# Altium PCB 通用工装板.PcbDoc (part 3 of 10)
Units mil, origin at the board's own origin, x right, y up, seen from the top; angles counter-clockwise.
Board outline 5905.51 x 3937.01 mil, 4 copper layers (L1, L2, L3, L4), stack 30.634 mil thick; 601 components, 576 nets, 2543 pads, 2986 vias.
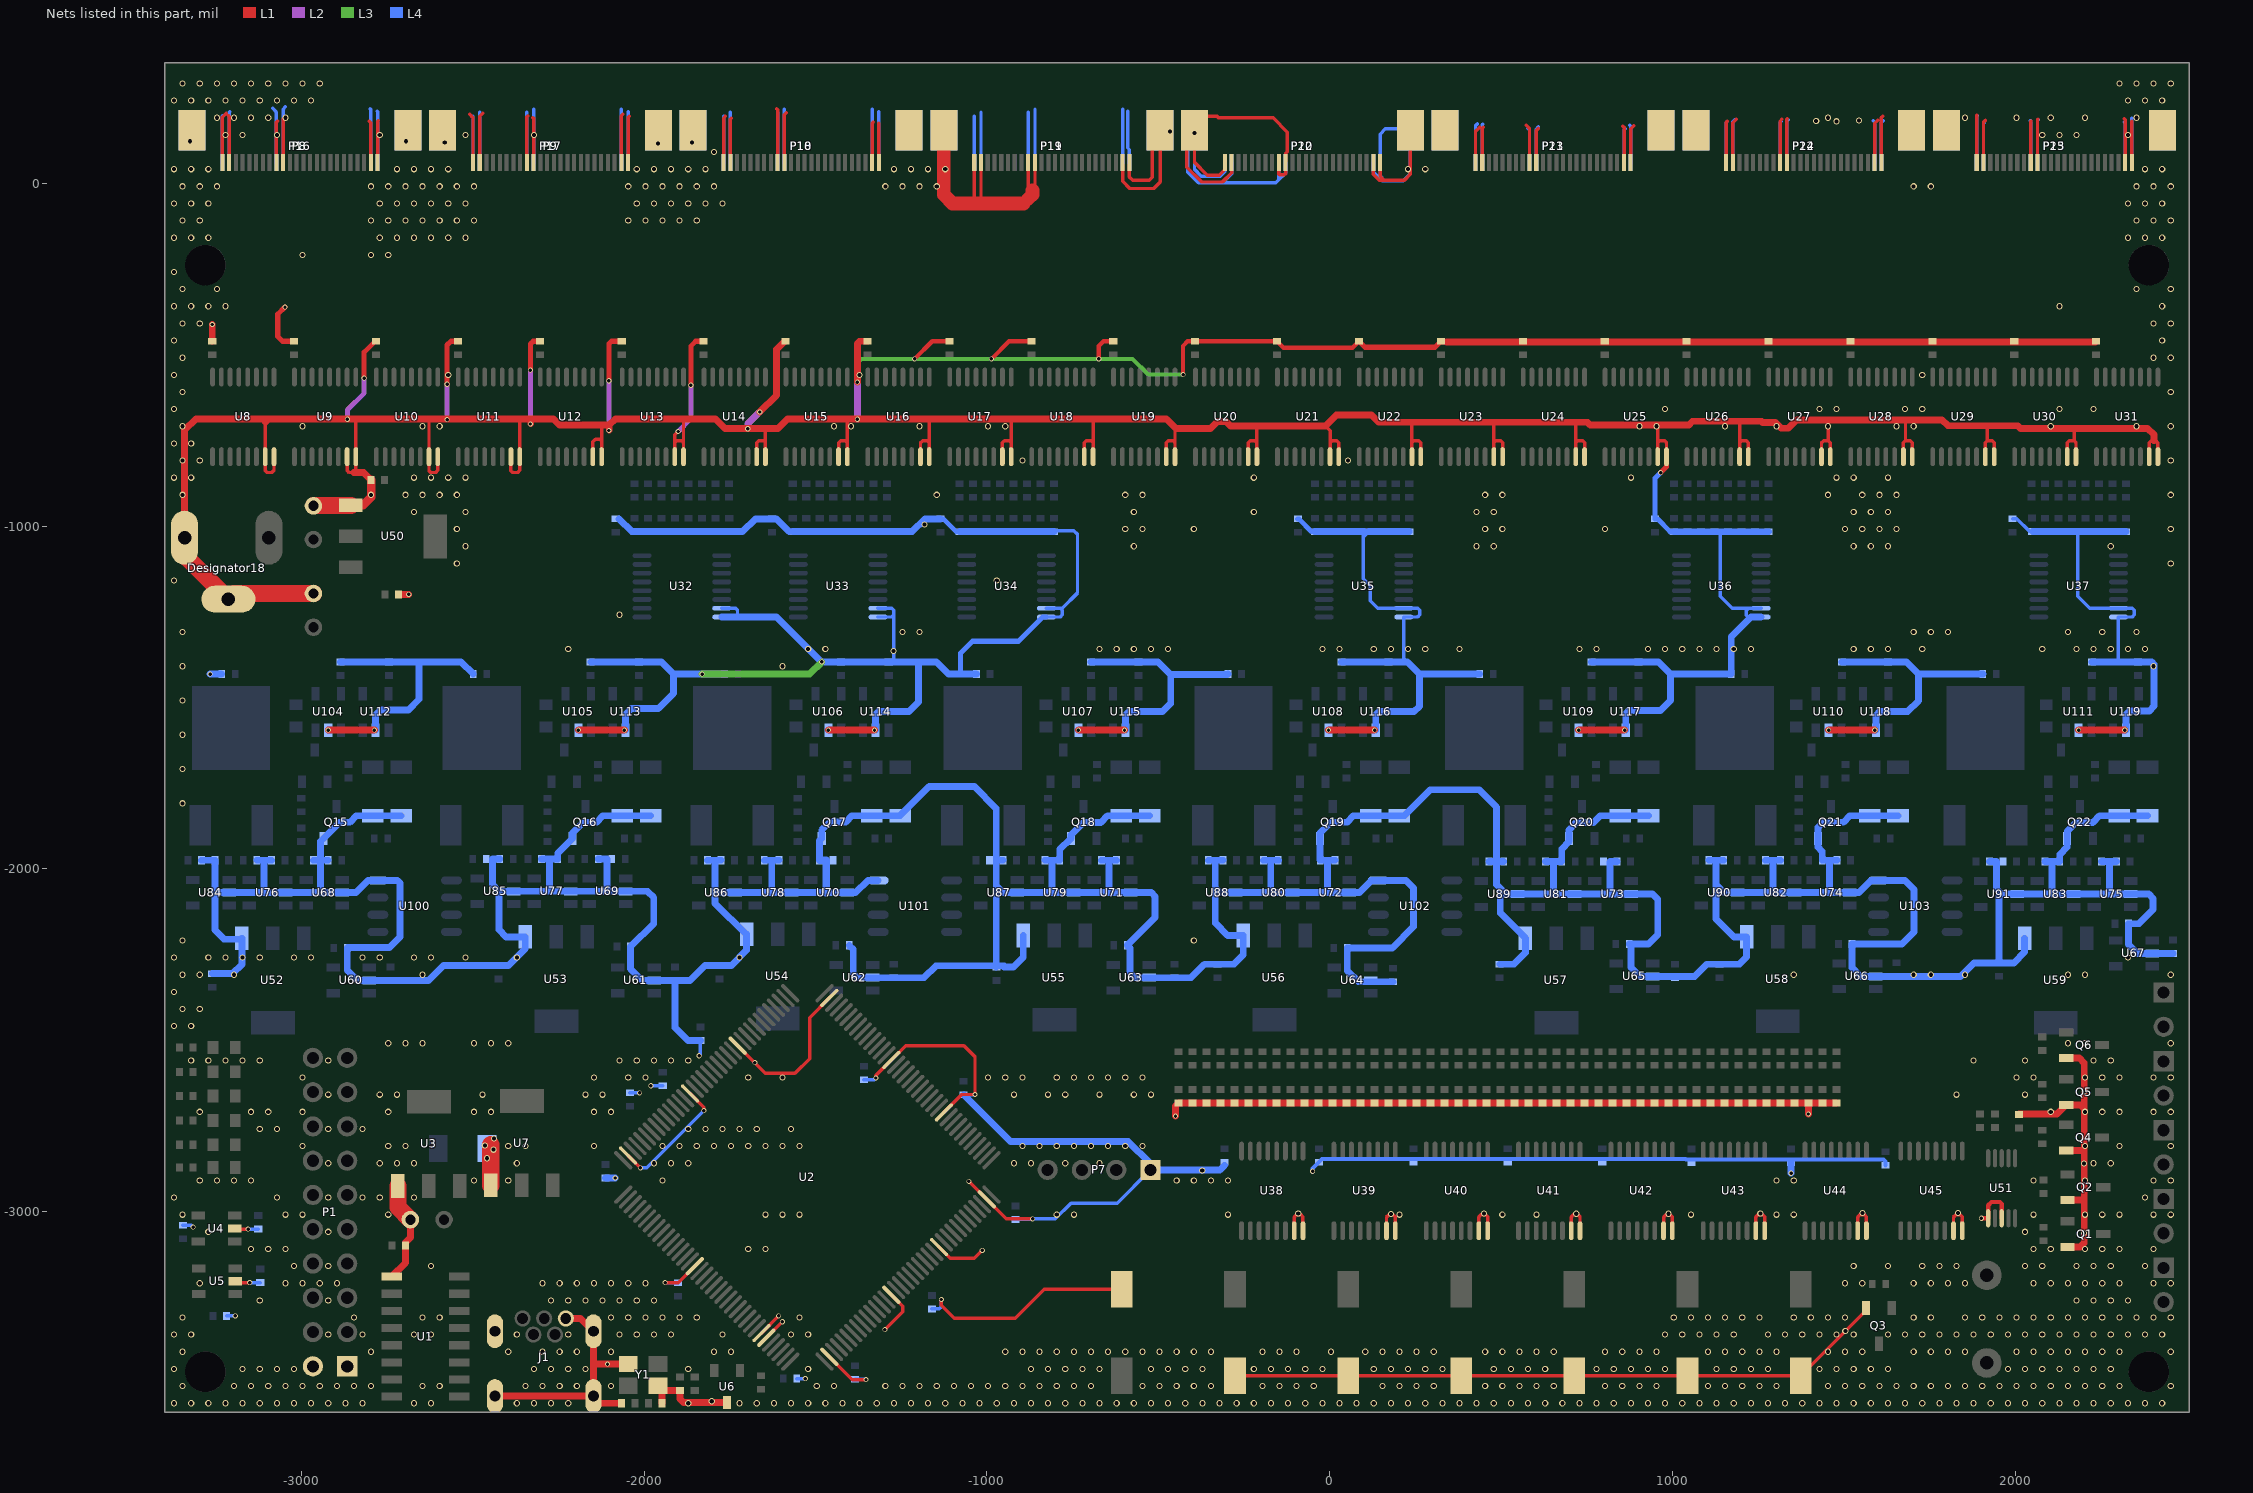
[diagram p5: the nets of this part, all layers, seen from the top]

## Via types
v1: diameter 15, hole 10, L1 to L4, tented both sides, 1853 vias
v2: diameter 18, hole 12, L1 to L4, tented both sides, 1133 vias

## Nets (pads, with @x,y where several pads share a name; then routed paths per layer and width w, separated by ;. In a path a pad name is that pad's centre, name@x,y a point inside that pad or via, vN(x,y) a via of type N, cw(c..) or ccw(c..) an arc to the next point about the centre after c; other vN are vias at no path point) (continued)
GND: C1.1 C2.1 C3.1 C4.2 C5.2 C6.1 C7.1 C8.1 C9.1 C10.2 C11.1 C12.1 C13.1 C14.1 C15.1 C16.1 C17.1 C18.1 C19.1 C20.1 C21.1 C22.1 C23.1 C24.1 C25.1 C26.1 C27.1 C28.1 C29.1 C30.1 C31.1 C32.1 C33.1 C34.1 C35.1 C36.1 C37.1 C38.1 C39.1 C40.1 C41.1 C42.1 C43.1 C44.1 C45.1 C46.1 C47.1 C48.1 C49.1 C50.1 C51.1 C52.1 C53.1 C54.1 C55.1 C56.1 C57.1 C58.1 C59.1 C60.1 C61.1 C62.1 C63.1 C64.1 C65.1 C66.1 C67.1 C68.1 C69.1 C70.1 C71.1 C72.1 C73.1 C74.1 C75.1 C76.1 C77.1 C78.1 C79.1 C80.1 C81.1 C82.1 C83.1 C84.1 C85.1 C86.1 C87.1 C88.1 C89.1 C90.1 C91.1 C92.1 C93.1 C94.1 C95.1 C96.1 C97.1 C98.1 C99.1 C100.1 C101.1 C102.1 C103.1 C104.1 C105.1 C106.1 C107.1 C108.1 C109.1 C110.1 C111.1 C112.1 C113.1 C114.1 C115.1 C116.1 C117.1 C118.1 C119.1 C130.1 C131.1 C132.1 C133.1 C134.1 C135.1 C136.1 C137.1 C138.1 C139.1 C140.2 C141.2 C142.2 C143.2 C144.2 C145.2 C146.2 C147.2 C148.2 C149.2 C150.1 C151.1 C152.1 C153.1 C154.1 C155.1 C156.1 C157.1 C158.1 C159.1 C160.2 C161.2 C162.2 C163.2 C164.2 C165.2 C166.2 C167.2 C168.2 C169.2 D1.1 D2.1 D3.1 D4.1 D5.1 D6.1 D7.1 D8.1 D9.1 D10.1 D11.1 D12.1 D13.1 D14.1 D15.1 D16.1 Designator18.2 Designator18.3 J1.5 J1.A K1.1 K2.1 K3.1 K4.1 K5.1 K6.1 K7.1 P1.1 P1.2 P7.1 P8.1 P8.2 P8.9 P8.10 P8.23 P8.24 P8.A P8.B P9.1 P9.2 P9.9 P9.10 P9.23 P9.24 P9.A P9.B P10.1 P10.2 P10.9 P10.10 P10.23 P10.24 P10.A P10.B P11.1 P11.2 P11.9 P11.10 P11.23 P11.24 P11.A P11.B P12.1 P12.2 P12.9 P12.10 P12.23 P12.24 P12.A P12.B P13.1 P13.2 P13.9 P13.10 P13.23 P13.24 P13.A P13.B P14.1 P14.2 P14.9 P14.10 P14.23 P14.24 P14.A P14.B P15.1 P15.2 P15.9 P15.10 P15.23 P15.24 P15.A P15.B P16.1 P16.2 P16.15 P16.16 P16.23 P16.24 P16.A P16.B P17.1 P17.2 P17.15 P17.16 P17.23 P17.24 P17.A P17.B P18.1 P18.2 P18.15 P18.16 P18.23 P18.24 P18.A P18.B P19.1 P19.2 P19.15 P19.16 P19.23 P19.24 P19.A P19.B P20.1 P20.2 P20.15 P20.16 P20.23 P20.24 P20.A P20.B P21.1 P21.2 P21.15 P21.16 P21.23 P21.24 P21.A P21.B P22.1 P22.2 P22.15 P22.16 P22.23 P22.24 P22.A P22.B P23.1 P23.2 P23.15 P23.16 P23.23 P23.24 P23.A P23.B Q1.2 Q2.2 Q3.2 Q4.2 Q5.2 Q6.2 Q15.2 Q16.2 Q17.2 Q18.2 Q19.2 Q20.2 Q21.2 Q22.2 R9.1 R17.2 R19.2 R21.2 R23.2 R25.2 R27.2 R29.2 R31.2 R33.2 R35.2 R37.2 R39.2 R41.2 R43.2 R45.2 R47.2 R49.2 R51.2 R53.2 R55.2 R57.2 R59.2 R61.2 R63.2 R65.2 R67.2 R69.2 R71.2 R73.2 R75.2 R77.2 R79.2 R81.2 R83.2 R85.2 R87.2 R89.2 R91.2 R93.2 R95.2 R97.2 R99.2 R101.2 R103.2 R105.2 R107.2 R109.2 R111.2 R113.2 R115.2 R117.2 R119.2 R121.2 R123.2 R125.2 R127.2 R129.2 R131.2 R133.2 R135.2 R137.2 R139.2 R141.2 R143.2 R145.2 R147.2 R149.2 R151.2 R153.2 R155.2 R157.2 R159.2 R161.2 R163.2 R165.2 R167.2 R169.2 R171.2 R175.2 R177.2 R179.2 R181.2 R183.2 R185.2 R187.2 R189.2 R191.2 R193.2 R195.2 R197.2 R199.2 R201.2 R203.2 R205.2 R207.2 R209.2 U1.1 U2.16 U2.30 U2.31 U2.38 U2.51 U2.61 U2.71 U2.83 U2.94 U2.107 U2.120 U2.130 U2.143 U3.1 U4.2 U5.2 U6.3 U7.1 U8.7 U8.8 U9.7 U9.8 U10.7 U10.8 U11.7 U11.8 U12.7 U12.8 U13.7 U13.8 U14.7 U14.8 U15.7 U15.8 U16.7 U16.8 U17.7 U17.8 U18.7 U18.8 U19.7 U19.8 U20.7 U20.8 U21.7 U21.8 U22.7 U22.8 U23.7 U23.8 U24.7 U24.8 U25.7 U25.8 U26.7 U26.8 U27.7 U27.8 U28.7 U28.8 U29.7 U29.8 U30.7 U30.8 U31.7 U31.8 U32.7 U32.8 U33.7 U33.8 U34.7 U34.8 U35.7 U35.8 U36.7 U36.8 U37.7 U37.8 U38.7 U38.8 U39.7 U39.8 U40.7 U40.8 U41.7 U41.8 U42.7 U42.8 U43.7 U43.8 U44.7 U44.8 U45.7 U45.8 U50.1 U51.1 U51.3 U52.1 U53.1 U54.1 U55.1 U56.1 U57.1 U58.1 U59.1 U60.2 U61.2 U62.2 U63.2 U64.2 U65.2 U66.2 U67.2 U68.2 U69.2 U70.2 U71.2 U72.2 U73.2 U74.2 U75.2 U76.2 U77.2 U78.2 U79.2 U80.2 U81.2 U82.2 U83.2 U84.2 U85.2 U86.2 U87.2 U88.2 U89.2 U90.2 U91.2 U100.4 U101.4 U102.4 U103.4 U104.2 U105.2 U106.2 U107.2 U108.2 U109.2 U110.2 U111.2 U112.2 U113.2 U114.2 U115.2 U116.2 U117.2 U118.2 U119.2 Y1.2 Y1.4 | length 77137.2
  L1 w10: P8.1@-3230.68,60.67 -3230.68,193.32 -3219,205 ; -3214,198 -3210.99,194.99 P8.2@-3210.99,60.67 ; U4.2@-3193.17,-3050.69 v1(-3155.69,-3050.69) ; U5.2@-3192.85,-3203 -3189.17,-3206.69 v1(-3150.69,-3206.69) ; -3105.68,-697 U8.7@-3105.68,-797.27 -3105.68,-837.98 -3100.2,-843.45 -3086.2,-843.45 -3080.09,-837.33 U8.8@-3080.09,-797.27 ; P8.9@-3073.2,60.67 -3073.2,177.8 -3069,182 ; P8.10@-3053.51,60.67 -3053.51,188.49 v2@-3048,194 ; U9.7@-2866.72,-797.27 -2866.72,-837.98 -2861.25,-843.45 -2847.25,-843.45 -2841.13,-837.33 U9.8@-2841.13,-797.27 -2841.13,-689.87 ; -2802,181 -2797.61,176.61 P8.23@-2797.61,60.67 ; P8.24@-2777.92,60.67 -2777.92,181.08 -2776,183 ; -2627.76,-690.24 U10.7@-2627.76,-797.27 -2627.76,-837.98 -2622.29,-843.45 -2608.29,-843.45 -2602.17,-837.33 U10.8@-2602.17,-797.27 ; -2509,201 -2499.52,191.52 P9.1@-2499.52,60.67 ; P9.2@-2479.83,60.67 -2479.83,196.17 -2471,205 ; U11.7@-2388.8,-797.27 -2388.8,-837.98 -2383.33,-843.45 -2369.33,-843.45 -2363.21,-837.33 U11.8@-2363.21,-797.27 -2363.21,-688.79 ; P9.9@-2342.04,60.67 -2342.04,193.96 -2339,197 ; -2325,192 -2322.35,189.35 P9.10@-2322.35,60.67 ; U12.7@-2149.84,-797.27 -2149.84,-753.84 -2142,-746 -2131,-746 -2124.25,-752.75 ; U12.8@-2124.25,-797.27 -2124.25,-752.75 ; -2124.25,-705 -2124.25,-752.75 ; P9.23@-2066.45,60.67 -2066.45,196.55 -2062,201 ; U2.143@-2047.35,-2835.93 -2011.29,-2872 v1(-2011,-2872) ; P9.24@-2046.76,60.67 -2046.76,193.24 -2044,196 ; v1(-1939,-3207) -1900.62,-3207 U2.16@-1852.48,-3158.86 ; U13.7@-1910.88,-797.27 -1910.88,-757.2 ; v1(-1901,-724) -1910.88,-733.88 -1910.88,-757.2 ; U13.8@-1885.29,-797.27 -1885.29,-756.56 ; -1884,-687 -1885.29,-688.29 -1885.29,-756.56 ; U2.130@-1866.4,-2654.98 -1826,-2695.38 v1(-1826,-2705) ; P10.1@-1768.36,60.67 -1768.36,190.64 -1763,196 ; P10.2@-1748.67,60.67 -1748.67,187.33 -1746,190 ; U2.120@-1727.21,-2515.78 -1646.99,-2596 -1560.04,-2596 -1517.5,-2553.46 -1517.5,-2434.14 U2.107@-1459.95,-2376.59 ; U14.7@-1671.92,-797.27 -1671.92,-757.2 -1665.8,-751.09 -1651.8,-751.09 -1646.33,-756.56 ; U2.30@-1657.61,-3353.73 v1(-1607.88,-3304) ; U14.8@-1646.33,-797.27 -1646.33,-756.56 ; -1646.33,-715 -1646.33,-756.56 ; U2.31@-1643.69,-3367.65 v1(-1597.04,-3321) ; -1614,218 -1610.88,214.88 P10.9@-1610.88,60.67 ; P10.10@-1591.19,60.67 -1591.19,199.81 -1585,206 ; U2.38@-1459.95,-3423.33 -1393.29,-3490 v1(-1353,-3490) ; U15.7@-1432.96,-797.27 -1432.96,-757.2 -1426.84,-751.09 -1412.84,-751.09 -1407.37,-756.56 ; U15.8@-1407.37,-797.27 -1407.37,-756.56 ; -1407.37,-688.63 -1407.37,-756.56 ; P10.23@-1335.29,60.67 -1335.29,175.71 -1332,179 ; v1(-1324,-2610) -1324,-2602.54 U2.94@-1279,-2557.54 -1237.46,-2516 -1067,-2516 -1035,-2548 v1(-1035,-2658) -1073.23,-2658 U2.83@-1125.89,-2710.66 ; P10.24@-1315.6,60.67 -1315.6,175.4 -1315,176 ; v1(-1298,-3344) -1246,-3292 -1246,-3275.38 U2.51@-1279,-3242.38 ; U16.7@-1194,-797.27 -1194,-757.2 -1187.89,-751.09 -1173.89,-751.09 -1168.41,-756.56 ; U16.8@-1168.41,-797.27 -1168.41,-756.56 ; -1168.41,-687.59 -1168.41,-756.56 ; U2.61@-1139.81,-3103.18 -1106.99,-3136 -1037,-3136 v1(-1014,-3113) ; v1(-1133,-3256) -1133,-3273 -1095,-3311 -917,-3311 -832.73,-3226.73 K7.1@-606.66,-3226.73 ; v1(-1053,-2911.6) U2.71@-1000.61,-2963.99 -943.6,-3021 v1(-867,-3021) ; -1045,-58.49 -1037.2,-50.69 P11.1@-1037.2,60.67 ; -1018,-58.49 -1017.52,-58.01 P11.2@-1017.52,60.67 ; U17.7@-955.04,-797.27 -955.04,-757.2 -948.93,-751.09 -934.93,-751.09 -929.45,-756.56 ; U17.8@-929.45,-797.27 -929.45,-756.56 ; -929.45,-689.45 -929.45,-756.56 ; -893.49,-58.49 -879.72,-44.72 P11.9@-879.72,60.67 ; -860.04,-19.75 P11.10@-860.04,60.67 ; U18.7@-716.09,-797.27 -716.09,-757.2 -709.97,-751.09 -695.97,-751.09 -690.49,-756.56 ; U18.8@-690.49,-797.27 -690.49,-756.56 ; -690.49,-690.49 -690.49,-756.56 ; P11.23@-604.13,60.67 -604.13,6.13 -583,-15 -514,-15 -495,4 -495,154.29 P11.A@-495.86,155.16 -518,133.02 -518,18 -527,9 -575,9 -584.45,18.45 P11.24@-584.45,60.67 ; U19.7@-477.13,-797.27 -477.13,-757.2 -471.01,-751.09 -457.01,-751.09 -451.54,-756.56 ; U19.8@-451.54,-797.27 -451.54,-756.56 ; -449,-715 -451.54,-717.54 -451.54,-756.56 ; P12.1@-306.04,60.67 -306.04,39.96 -322,24 -357.63,24 -394.63,61 P12.B@-394.63,155.16 ; P12.2@-286.36,60.67 -286.36,30.64 -313,4 -374,4 -417,47 -417,132.78 P12.B@-394.63,155.16 ; K1.1@-276.61,-3478.7 K2.1@53.44,-3478.7 K3.1@383.5,-3478.7 K4.1@713.55,-3478.7 K5.1@1043.6,-3478.7 K6.1@1373.65,-3478.7 1564.6,-3287.76 Q3.2@1564.6,-3280.87 ; U20.7@-238.17,-797.27 -238.17,-757.2 -232.05,-751.09 -218.05,-751.09 -212.58,-756.56 ; U20.8@-212.58,-797.27 -212.58,-756.56 ; -212.58,-709.42 -212.58,-756.56 ; P12.9@-148.56,60.67 -148.56,26.56 -146.5,24.5 -132.5,24.5 -128.88,28.12 P12.10@-128.88,60.67 -128.88,87.37 -123.5,92.75 -123.5,149.5 -165.5,191.5 -324.75,191.5 -328.75,195.5 -394.63,195.5 P12.B@-394.63,155.16 ; U38.7@-103.81,-3055.47 -103.81,-3015.41 -97.69,-3009.29 -83.69,-3009.29 -78.22,-3014.76 U38.8@-78.22,-3055.47 ; -13,-708 0.79,-721.79 0.79,-757.2 ; U21.7@0.79,-797.27 0.79,-757.2 ; U21.8@26.38,-797.27 26.38,-756.56 20.91,-751.09 6.91,-751.09 0.79,-757.2 ; P12.23@127.03,60.67 127.03,25.97 144,9 159,9 ; P12.24@146.71,60.67 146.71,21.29 159,9 ; U39.7@165.56,-3055.47 165.56,-3015.41 171.68,-3009.29 185.68,-3009.29 191.15,-3014.76 U39.8@191.15,-3055.47 ; P12.A@235.3,155.16 235.3,26.3 218,9 159,9 ; U22.7@239.75,-797.27 239.75,-757.2 ; 239.75,-700.75 239.75,-757.2 ; U22.8@265.34,-797.27 265.34,-756.56 259.87,-751.09 245.87,-751.09 239.75,-757.2 ; P13.1@425.12,60.67 425.12,152.12 437,164 ; U40.7@434.94,-3055.47 434.94,-3015.41 441.05,-3009.29 455.05,-3009.29 460.53,-3014.76 U40.8@460.53,-3055.47 ; P13.2@444.8,60.67 444.8,160.8 448,164 ; U23.7@478.71,-797.27 478.71,-757.2 ; 478.71,-697.29 478.71,-757.2 ; U23.8@504.3,-797.27 504.3,-756.56 498.83,-751.09 484.83,-751.09 478.71,-757.2 ; 573,169 582.6,159.4 P13.9@582.6,60.67 ; P13.10@602.28,60.67 602.28,154.28 609,161 ; U41.7@704.31,-3055.47 704.31,-3015.41 710.43,-3009.29 724.43,-3009.29 729.9,-3014.76 U41.8@729.9,-3055.47 ; U24.7@717.67,-797.27 717.67,-757.2 ; 717.67,-703.33 717.67,-757.2 ; U24.8@743.26,-797.27 743.26,-756.56 737.79,-751.09 723.79,-751.09 717.67,-757.2 ; 855,167 858.5,163.5 858.5,60.98 P13.23@858.19,60.67 ; P13.24@877.87,60.67 877.87,158.87 887,168 ; U25.7@956.63,-797.27 956.63,-757.2 ; v2@956.63,-706.87 956.63,-757.2 ; U42.7@973.68,-3055.47 973.68,-3015.41 979.8,-3009.29 993.8,-3009.29 999.27,-3014.76 U42.8@999.27,-3055.47 ; U25.8@982.22,-797.27 982.22,-756.56 976.75,-751.09 962.75,-751.09 956.63,-757.2 ; P14.1@1156.27,60.67 1156.27,178.27 1159,181 ; P14.2@1175.96,60.67 1175.96,176.96 1186,187 ; U26.7@1195.59,-797.27 1195.59,-757.2 ; 1195.59,-694.59 1195.59,-757.2 ; U26.8@1221.18,-797.27 1221.18,-756.56 1215.71,-751.09 1201.71,-751.09 1195.59,-757.2 ; U43.7@1243.06,-3055.47 1243.06,-3015.41 1249.18,-3009.29 1263.18,-3009.29 1268.65,-3014.76 U43.8@1268.65,-3055.47 ; P14.9@1313.75,60.67 1313.75,181.75 1319,187 ; P14.10@1333.44,60.67 1333.44,187.44 1335,189 ; U27.7@1434.55,-797.27 1434.55,-757.2 1440.67,-751.09 1454.67,-751.09 ; 1454.67,-694.33 1454.67,-751.09 ; U27.8@1460.14,-797.27 1460.14,-756.56 1454.67,-751.09 ; U44.7@1539.99,-3055.47 1539.99,-3015.41 1546.11,-3009.29 1560.11,-3009.29 1565.58,-3014.76 U44.8@1565.58,-3055.47 ; P14.23@1589.34,60.67 1589.34,175.34 1598,184 ; P14.24@1609.03,60.67 1609.03,192.03 1613,196 ; U28.7@1673.51,-797.27 1673.51,-757.2 1679.63,-751.09 ; 1679.63,-692.37 1679.63,-751.09 ; U28.8@1699.1,-797.27 1699.1,-756.56 1693.63,-751.09 1679.63,-751.09 ; U45.7@1819.52,-3055.47 1819.52,-3015.41 1825.64,-3009.29 1839.64,-3009.29 1845.11,-3014.76 U45.8@1845.11,-3055.47 ; 1887,199 1887.43,198.57 P15.1@1887.43,60.67 ; P15.2@1907.12,60.67 1907.12,178.12 1913,184 ; U29.7@1912.47,-797.27 1912.47,-757.2 1918.58,-751.09 ; 1918.58,-708.58 1918.58,-751.09 ; U29.8@1938.06,-797.27 1938.06,-756.56 1932.58,-751.09 1918.58,-751.09 ; P15.9@2044.91,60.67 2044.91,180.91 2046,182 ; P15.10@2064.6,60.67 2064.6,185.6 2066,187 ; U30.7@2151.43,-797.27 2151.43,-757.2 2157.54,-751.09 2171.54,-751.09 ; 2171.54,-715.54 2171.54,-751.09 ; U30.8@2177.02,-797.27 2177.02,-756.56 2171.54,-751.09 ; 2318,188 2320.5,185.5 P15.23@2320.5,60.67 ; 2340,181 2340.19,180.81 P15.24@2340.19,60.67 ; U31.7@2390.38,-797.27 2390.38,-757.2 2396.5,-751.09 2404,-751.09 2410.5,-751.09 2415.98,-756.56 U31.8@2415.98,-797.27 ; -1910.88,-757.2 -1904.76,-751.09 -1890.76,-751.09 -1885.29,-756.56
  L1 w12: v1(-1211,-512) -1159.65,-460.65 C139.1@-1109.57,-460.65 ; v1(-987,-512) -935.65,-460.65 C140.2@-870.62,-460.65 ; v1(-674,-512) -674,-475 -659.65,-460.65 C141.2@-631.66,-460.65 ; v1(-428,-558) -428,-474 -414.65,-460.65 C142.2@-392.7,-460.65 C143.2@-153.74,-460.65 -134.89,-479.5 66.37,-479.5 C144.2@85.22,-460.65 ; v1(1900.94,-3019.06) U51.1@1920.9,-3019.06 1920.9,-2981.1 1930,-2972 1955,-2972 1960.27,-2977.27 U51.3@1960.27,-3019.06
  L1 w15: v1(-3048,-361) -3069,-382 -3069,-447 -3055.35,-460.65 C131.1@-3021.25,-460.65 ; v1(-2817,-568) -2817,-492.76 -2784.89,-460.65 C132.1@-2782.29,-460.65 ; v1(-2575,-586) -2575,-471.65 -2564,-460.65 C133.1@-2543.33,-460.65 ; v1(-2332,-545) -2332,-469 -2323.65,-460.65 C134.1@-2304.37,-460.65 ; v1(-2103,-576) -2103,-468 -2095.65,-460.65 C135.1@-2065.41,-460.65 ; v1(-1864,-589) -1864,-475 -1849.65,-460.65 C136.1@-1826.45,-460.65 ; C144.2@85.22,-460.65 102.56,-478 306.88,-478 322.37,-462.5 340,-462.5 ; v1(965,-844) 982.22,-826.78 U25.8@982.22,-797.27
  L1 w20: Designator18.3@-3340.91,-1033.82 -3340.91,-719.91 -3308,-687 -3095.68,-687 ; C130.1@-3260.2,-460.65 v1(-3260.2,-411.8) ; -3105.68,-697 -3095.68,-687 ; v1(-2921.62,-1594.84) v1(-2787.16,-1594.84) ; -2847.25,-843.45 -2818.24,-843.45 C169.2@-2796.69,-865 ; U1.1@-2736.58,-3189.33 -2696.32,-3149.06 C3.1@-2696.32,-3098 -2696.32,-3089.32 -2682.21,-3075.21 C10.2@-2682.21,-3023.28 ; C104.1@-2716.9,-1199.17 -2687.17,-1199.17 v1(-2687,-1199) ; J1.A@-2435.4,-3537.76 J1.A@-2148,-3537.76 J1.A@-2148,-3348.78 -2185.4,-3311.38 J1.5@-2228.71,-3311.38 ; v1@-2331,-701 -2331,-687 ; v1(-2192.15,-1594.84) v1(-2057.69,-1594.84) ; -2145.35,-3444.65 v1(-2107,-3444.65) Y1.4@-2046.59,-3444.65 ; J1.A@-2126.94,-3558.82 C9.1@-2066.28,-3558.82 ; v1@-2102,-720 -2102,-705 ; C21.1@-1948.17,-3558.82 Y1.2@-1948.17,-3519.45 ; Y1.2@-1945.85,-3521.76 C8.1@-1895.98,-3521.76 -1895.98,-3546.02 -1885.79,-3556.21 U6.3@-1758.19,-3556.21 ; v1(-1663,-667) -1614.3,-618.3 -1614.3,-483.97 -1590.99,-460.65 C137.1@-1587.49,-460.65 ; v1(-1462.68,-1594.84) v1(-1328.21,-1594.84) ; v1(-1378,-580) -1378,-467 -1371.65,-460.65 C138.1@-1348.53,-460.65 ; v1(-733.21,-1594.84) v1(-598.74,-1594.84) ; v1(-450,-2721) -450,-2691.33 R113.2@-441.26,-2682.59 R125.2@-400.43,-2682.59 R137.2@-359.6,-2682.59 R149.2@-318.77,-2682.59 R161.2@-277.94,-2682.59 R175.2@-237.11,-2682.59 R187.2@-196.28,-2682.59 R199.2@-155.45,-2682.59 R115.2@-114.62,-2682.59 R127.2@-73.79,-2682.59 R139.2@-32.96,-2682.59 R151.2@7.87,-2682.59 R163.2@48.7,-2682.59 R177.2@89.53,-2682.59 R189.2@130.36,-2682.59 R201.2@171.19,-2682.59 R117.2@212.02,-2682.59 R129.2@252.85,-2682.59 R141.2@293.67,-2682.59 R153.2@334.5,-2682.59 R165.2@375.33,-2682.59 R179.2@416.16,-2682.59 R191.2@456.99,-2682.59 R203.2@497.82,-2682.59 R119.2@538.65,-2682.59 R131.2@579.48,-2682.59 R143.2@620.31,-2682.59 R155.2@661.14,-2682.59 R167.2@701.97,-2682.59 R181.2@742.8,-2682.59 R193.2@783.63,-2682.59 R205.2@824.46,-2682.59 R121.2@865.29,-2682.59 R133.2@906.12,-2682.59 R145.2@946.95,-2682.59 R157.2@987.78,-2682.59 R169.2@1028.61,-2682.59 R183.2@1069.44,-2682.59 R195.2@1110.27,-2682.59 R207.2@1151.1,-2682.59 R123.2@1191.93,-2682.59 R135.2@1232.76,-2682.59 R147.2@1273.59,-2682.59 R159.2@1314.42,-2682.59 R171.2@1355.25,-2682.59 R185.2@1396.08,-2682.59 ; v1(-3.74,-1594.84) v1(130.73,-1594.84) ; 340,-462.5 2234.01,-462.5 C153.1@2235.86,-460.65 ; v1(725.73,-1594.84) v1(860.2,-1594.84) ; v1(1396.08,-2714.92) R185.2@1396.08,-2682.59 ; v1(1455.21,-1594.84) v1(1589.67,-1594.84) ; R209.2@1477.74,-2682.59 R197.2@1436.91,-2682.59 R185.2@1396.08,-2682.59 ; C168.2@2011,-2714.92 2121.68,-2714.92 Q5.2@2148.26,-2688.35 2190.35,-2688.35 2201,-2699 ; Q4.2@2148.26,-2821.22 2198.78,-2821.22 ; Q6.2@2148.26,-2551.54 2186.54,-2551.54 2201,-2566 2201,-2699 ; Q1.2@2152.2,-3102.72 2189.28,-3102.72 2201,-3091 2201,-2699 ; Q2.2@2152.2,-2965.91 2199.91,-2965.91 ; v1(2184.68,-1594.84) v1(2319.14,-1594.84) ; 2404,-751.09 2404,-733 2386,-715 2015,-715 2007,-707 1803,-707 1786,-690 1362,-690 1338,-714 1336.82,-714 1336.32,-714.5 1317.68,-714.5 1300.68,-697.5 1262.5,-697.5 1259,-694 1058,-694 1047.5,-704.5 759.68,-704.5 752.18,-697 143,-697 122,-676 19,-676 -13,-708 -289.18,-708 -302.18,-695 -327.82,-695 -347.82,-715 -449,-715 -477,-687 -1582,-687 -1610,-715 -1646.33,-715 -1764,-715 -1792,-687 -1884,-687 -2084,-687 -2102,-705 ; -3095.68,-687 -2331,-687 ; -2331,-687 -2265,-687 -2247,-705 -2124.25,-705 -2102,-705
  L1 w25: U50.1@-2855.68,-939.33 -2820.33,-939.33 -2796.69,-915.69 C169.2@-2796.69,-865
  L1 w40: P11.B@-1125.78,155.16 -1125.78,-33.22 -1100.51,-58.49 -1045,-58.49 -1018,-58.49 -893.49,-58.49 ; -879.72,-44.72 -867.5,-32.5 -867.5,-19.75
  L1 w50: Designator18.3@-3340.91,-1033.82 -3340.91,-1085 Designator18.2@-3212.96,-1212.95 -3196.54,-1196.53 C1.1@-2964.93,-1196.53 ; C23.1@-2963.64,-939.33 U50.1@-2855.68,-939.33 ; U3.1@-2718.55,-2925.03 -2718.55,-2986.94 C10.2@-2682.21,-3023.28 ; U7.1@-2447.55,-2923.03 -2447.55,-2804.45
  L2 w15: v1(-2866,-688) -2866,-661 -2817,-612 v1(-2817,-568) ; v1(-2575,-689) v1(-2575,-586) ; v1(-2332,-702) v1(-2332,-545) ; v1(-2103,-721) v1(-2103,-576) ; v1(-1901,-724) -1864,-687 v1(-1864,-589)
  L2 w20: v1(-1698,-716) -1698,-702 v1(-1663,-667) ; v1(-1378,-688) v1(-1378,-580)
  L3 w12: v1(-1378,-580) -1378,-524 -1366,-512 v1(-1211,-512) v1(-987,-512) v1(-674,-512) -575.5,-512 -529.5,-558 v1(-428,-558)
  L3 w20: v1(-1831,-1431.46) -1517.46,-1431.46 v1(-1482,-1396)
  L4 w10: C4.2@-3346,-3039.32 -3321.69,-3039.32 v1(-3316,-3045) ; P16.24@-3230.67,60.67 -3230.67,196.33 -3229,198 ; C5.2@-3218.32,-3304 v1(-3193,-3304) ; P16.23@-3210.99,60.67 -3210.99,207.01 -3209,209 ; v1(-3155.69,-3050.69) C7.1@-3126,-3050.69 ; v1(-3150.69,-3206.69) C6.1@-3120,-3206.69 ; -3084,219 -3073.19,208.19 P16.16@-3073.19,60.67 ; P16.15@-3053.51,60.67 -3053.51,216.49 -3047,223 ; -2800,218 -2797.6,215.6 P16.2@-2797.6,60.67 ; -2779,210 -2777.92,208.92 P16.1@-2777.92,60.67 ; P17.24@-2499.52,60.67 -2499.52,196.33 ; P17.23@-2479.83,60.67 -2479.83,207.01 ; P17.16@-2342.04,60.67 -2342.04,208.19 ; P17.15@-2322.35,60.67 -2322.35,216.49 ; P17.2@-2066.44,60.67 -2066.44,215.6 ; P17.1@-2046.76,60.67 -2046.76,208.92 ; R9.1@-2042,-2653.32 v1(-2013.32,-2653.32) ; v1(-2011,-2872) -1993,-2872 v1(-1826,-2705) ; v1(-1980.69,-2632.69) C14.1@-1946,-2632.69 ; v1@-1938.69,-3207.32 C15.1@-1902,-3207.32 ; v1(-1840,-2545) -1836,-2541 C11.1@-1836,-2500.69 ; U32.7@-1773.98,-1239.53 -1733.28,-1239.53 -1727.8,-1245 -1727.8,-1259 -1733.92,-1265.12 ; P18.24@-1768.36,60.67 -1768.36,196.33 ; P18.23@-1748.67,60.67 -1748.67,207.01 ; P18.16@-1610.88,60.67 -1610.88,208.19 ; P18.15@-1591.19,60.67 -1591.19,216.49 ; C18.1@-1555.32,-3487 v1(-1530,-3487) ; C13.1@-1385,-3488.69 v1@-1354.32,-3488.69 ; C20.1@-1359,-2614.69 -1328.69,-2614.69 v1(-1324,-2610) ; P18.2@-1335.29,60.67 -1335.29,215.6 ; U33.8@-1318.08,-1265.12 -1278.02,-1265.12 -1271.9,-1259 -1271.9,-1245 ; U33.7@-1318.08,-1239.53 -1277.37,-1239.53 -1271.9,-1245 ; P18.1@-1315.6,60.67 -1315.6,208.92 ; -1271.5,-1394.52 -1271.5,-1245.4 -1271.9,-1245 ; C19.1@-1161,-3283.69 -1138.69,-3283.69 -1133,-3278 v1(-1133,-3256) ; C12.1@-1068,-2658.69 v1@-1035.69,-2658.69 ; P19.24@-1037.2,60.67 -1037.2,196.33 ; P19.23@-1017.51,60.67 -1017.51,207.01 ; C16.1@-917,-3022.69 v1@-868.69,-3022.69 ; P19.16@-879.72,60.67 -879.72,208.19 ; v1(-867,-3021) -801,-3021 -755,-2975 -620,-2975 P7.1@-523,-2878 ; P19.15@-860.03,60.67 -860.03,216.49 ; U34.8@-826.74,-1265.12 -786.68,-1265.12 -780.56,-1259 -780.56,-1245 -786.03,-1239.53 ; U34.7@-826.74,-1239.53 -786.03,-1239.53 ; R63.2@-804.08,-1016.1 -800.98,-1013 -747,-1013 -736,-1024 -736,-1195 -780.53,-1239.53 -786.03,-1239.53 ; P19.2@-604.13,60.67 -604.13,215.6 ; -589.44,209.92 -589.44,103.44 -584.44,98.44 P19.1@-584.44,60.67 ; P20.24@-306.04,60.67 -306.04,33.96 -319,21 -375,21 -394.62,40.62 P20.A@-394.62,155.16 -414,135.78 -414,33 -383,2 -313,2 ; P20.23@-286.35,60.67 -286.35,28.65 -313,2 ; P20.16@-148.56,60.67 -148.56,10.44 ; P20.15@-128.87,60.67 -128.87,30.13 -148.56,10.44 ; 101,-1016.1 98,-1019.1 98,-1031.91 ; R73.2@113.81,-1016.1 98,-1031.91 ; P20.2@127.03,60.67 127.03,33.86 152.89,8 161,8 ; 226.02,-1396.02 215.78,-1385.78 U35.8@215.78,-1265.12 255.84,-1265.12 261.96,-1259 261.96,-1245 256.49,-1239.53 U35.7@215.78,-1239.53 140.53,-1239.53 118.26,-1217.26 118.26,-1174.26 98,-1154 98,-1031.91 ; P21.24@425.12,60.67 425.12,168.12 431,174 ; P21.23@444.8,60.67 444.8,171.8 446,173 ; 578,161 582.6,156.4 P21.16@582.6,60.67 ; P21.15@602.28,60.67 602.28,158.28 609,165 ; P21.2@858.19,60.67 859,61.48 859,156 862,159 ; 875,170 877.87,167.13 P21.1@877.87,60.67 ; 1139,-1016.39 1139,-1204 1174.53,-1239.53 1222.47,-1239.53 ; P22.24@1156.28,60.67 1156.28,177.28 1158,179 ; P22.23@1175.96,60.67 1175.96,179.96 1181,185 ; U36.8@1258.3,-1265.12 1257.18,-1264 1219,-1264 1215,-1260 1215,-1247 1222.47,-1239.53 ; U36.7@1258.3,-1239.53 1222.47,-1239.53 ; P22.16@1313.76,60.67 1313.76,177.76 1317,181 ; P22.15@1333.44,60.67 1333.44,181.44 1338,186 ; 1586,183 1589.35,179.65 P22.2@1589.35,60.67 ; P22.1@1609.03,60.67 1609.03,177.03 1615,183 ; P23.24@1887.44,60.67 1887.44,195.44 1889,197 ; P23.23@1907.12,60.67 1907.12,175.12 1909,177 ; C154.1@1991.76,-978.7 2004.7,-978.7 2041.68,-1015.69 R97.2@2048,-1015.69 ; 2044,183 2044.92,182.08 P23.16@2044.92,60.67 ; P23.15@2064.6,60.67 2064.6,183.6 2067,186 ; 2182,-1016.1 2182,-1205 2216.53,-1239.53 U37.7@2300.82,-1239.53 2341.53,-1239.53 2347,-1245 2347,-1259 2340.88,-1265.12 U37.8@2300.82,-1265.12 2300.82,-1395.2 2300,-1396.02 ; 2318,179 2320.51,176.49 P23.2@2320.51,60.67 ; 2340,190 2340.19,189.81 P23.1@2340.19,60.67 ; -313,2 -157,2 -148.56,10.44 ; 161,8 215,8 235.3,28.3 P20.B@235.3,155.16 231.46,159 162,159 146.72,143.72 P20.1@146.72,60.67 146.72,22.28 161,8
  L4 w12: v1(-50,-2882) -50,-2873.67 C166.2@-31.86,-2855.53 -22.49,-2846.16 1037.63,-2846.16 1038.63,-2847.16 1615.16,-2847.16 1621.68,-2853.68 C160.2@1621.68,-2864.53
  L4 w15: C157.1@-1135.8,-978.7 -1127.3,-978.7 -1089.9,-1016.1 R49.2@-1079.67,-1016.1 ; -1077,-1431.46 -1077,-1371 -1042,-1336 -908,-1336 -837.12,-1265.12 U34.8@-826.74,-1265.12 ; C156.1@-93.28,-978.7 -90.67,-978.7 -53.27,-1016.1 R65.2@-43.67,-1016.1 ; v1(965,-844) 949.24,-859.76 C155.1@949.24,-978.7 955.7,-978.7 993.39,-1016.39 R81.2@1004.31,-1016.39
  L4 w20: C96.1@-3291.7,-1974.76 C25.1@-3252.33,-1974.76 -3252.33,-2060.67 ; v1(-3266.54,-1431.46) C105.1@-3232.65,-1431.46 ; C40.1@-3260.2,-2305.47 -3200.47,-2305.47 -3173.59,-2278.59 U52.1@-3173.59,-2202.13 -3176.46,-2205 -3226,-2205 -3252.33,-2178.67 -3252.33,-2060.67 ; C80.1@-3130.28,-1974.76 -3109,-1974.76 ; C56.1@-3086.98,-1974.76 -3109,-1974.76 ; C64.1@-2964.93,-1974.76 -2944,-1974.76 ; -2944,-2068.25 -2944,-1974.76 ; Q15.2@-2944,-1919.39 -2944,-1974.76 ; Q15.2@-2935.4,-1910.79 -2888.61,-1864 -2859,-1864 -2839.84,-1844.84 D1.1@-2791.7,-1844.84 D9.1@-2709.02,-1844.84 ; C72.1@-2921.62,-1974.76 -2944,-1974.76 ; C106.1@-2886.19,-1396.02 C24.1@-2744.46,-1396.02 -2657,-1396.02 ; U112.2@-2783.83,-1594.84 -2783.83,-1550.83 -2769,-1536 -2688,-1536 -2657,-1505 -2657,-1396.02 ; C107.1@-2498.67,-1431.46 -2534.11,-1396.02 -2657,-1396.02 ; C89.1@-2421.62,-1970.83 -2443,-1970.83 -2443,-2046 -2423.69,-2065.32 ; C81.1@-2299.57,-1970.83 -2276,-1970.83 ; -2276,-2064.32 -2276,-1970.83 ; C38.1@-2156.16,-1396.02 C26.1@-2015.55,-1396.02 -1949.98,-1396.02 -1914.54,-1431.46 ; C65.1@-2134.22,-1970.83 -2109,-1970.83 -2109,-2065.32 ; C17.1@-2113,-2901.69 v1(-2084.32,-2901.69) ; C159.1@-2073.3,-978.7 -2035.9,-1016.1 R17.2@-2027.92,-1016.1 R19.2@-1988.51,-1016.1 R21.2@-1949.14,-1016.1 R23.2@-1909.77,-1016.1 R25.2@-1870.4,-1016.1 R27.2@-1831.03,-1016.1 R29.2@-1791.66,-1016.1 R31.2@-1752,-1016.1 -1713.1,-1016.1 -1675.7,-978.7 C158.1@-1627.13,-978.7 -1614.3,-978.7 R33.2@-1576.9,-1016.1 ; U113.2@-2054.36,-1594.84 -2054.36,-1549.36 -2037,-1532 -1959,-1532 -1914.54,-1487.54 -1914.54,-1431.46 ; D10.1@-1981.24,-1844.84 D2.1@-2063.92,-1844.84 -2119.84,-1844.84 -2139,-1864 -2178,-1864 -2208.74,-1894.74 Q16.2@-2208.74,-1910.79 -2252.33,-1954.38 C41.1@-2252.33,-1970.83 -2276,-1970.83 ; C11.1@-1836,-2500.69 -1872.32,-2500.69 -1909.81,-2463.19 C27.1@-1909.81,-2325.16 ; C98.1@-1815.32,-1974.76 C58.1@-1775.95,-1974.76 ; -1793,-1978 -1793,-2100.98 -1703.66,-2190.32 U54.1@-1701.15,-2190.32 -1701.15,-2237.15 -1745.85,-2281.85 C90.1@-1779.89,-2281.85 -1822.85,-2281.85 -1866.16,-2325.16 C27.1@-1909.81,-2325.16 ; -1790.75,-2069.25 U86.2@-1734.61,-2069.25 U78.2@-1569.26,-2069.25 -1471,-2069.25 U70.2@-1407.84,-2069.25 -1383.25,-2069.25 -1347.62,-2033.62 U101.4@-1317.62,-2033.62 ; U32.8@-1773.98,-1265.12 -1733.92,-1265.12 -1613.88,-1265.12 v1@-1482.98,-1396.02 ; C109.1@-1764.7,-1431.46 v1(-1831,-1431.46) -1914.54,-1431.46 ; C82.1@-1649.97,-1974.76 -1628,-1974.76 ; -1628,-2068.25 -1628,-1974.76 ; C29.1@-1606.66,-1974.76 -1628,-1974.76 ; R33.2@-1566.74,-1016.1 R35.2@-1527.37,-1016.1 R37.2@-1488,-1016.1 R39.2@-1448.63,-1016.1 R41.2@-1409.26,-1016.1 R43.2@-1369.89,-1016.1 R45.2@-1330.52,-1016.1 R47.2@-1291.15,-1016.1 -1218.1,-1016.1 -1180.7,-978.7 C157.1@-1135.8,-978.7 ; C66.1@-1488.55,-1974.76 Q17.2@-1488.55,-1917.26 ; Q17.2@-1482.08,-1910.79 -1482.08,-1887.08 -1458,-1863 -1412,-1863 -1393.84,-1844.84 D3.1@-1336.13,-1844.84 D11.1@-1253.46,-1844.84 -1168.61,-1760 -1036,-1760 -973,-1823 -973,-1974.76 ; v1(-1482,-1396) C108.1@-1426.12,-1396.02 C28.1@-1286.64,-1396.02 -1200,-1396.02 ; C50.1@-1401.94,-2222.8 -1390,-2234.73 -1390,-2306 -1378.72,-2317.28 C42.1@-1272.02,-2317.28 -1183.28,-2317.28 -1148.5,-2282.5 C91.1@-973,-2282.5 ; U114.2@-1324.88,-1594.84 -1324.88,-1549.88 -1316,-1541 -1228,-1541 -1200,-1513 -1200,-1396.02 ; R49.2@-1079.67,-1016.1 R51.2@-1040.3,-1016.1 R53.2@-1000.93,-1016.1 R55.2@-961.56,-1016.1 R57.2@-922.19,-1016.1 R59.2@-882.82,-1016.1 R61.2@-843.45,-1016.1 R63.2@-804.08,-1016.1 ; C12.1@-1068,-2658.69 -931.69,-2795 -588,-2795 -523,-2860 P7.1@-523,-2878 -320.92,-2878 C167.2@-307.45,-2864.53 ; C111.1@-1030.73,-1431.46 -1077,-1431.46 -1112.54,-1431.46 -1147.98,-1396.02 -1200,-1396.02 ; C91.1@-972.8,-2285.79 -973,-2285.59 C91.1@-973,-2282.5 ; C75.1@-953.12,-1974.76 -973,-1974.76 ; U55.1@-894.06,-2194.25 -894.06,-2257.06 -922.79,-2285.79 -950,-2285.79 -950,-2282.5 C91.1@-973,-2282.5 ; C83.1@-831.07,-1974.76 -810,-1974.76 ; -810,-2068.25 -810,-1974.76 ; C110.1@-696.09,-1396.02 C30.1@-557.73,-1396.02 -500.98,-1396.02 -464,-1433 ; C67.1@-665.72,-1974.76 -644,-1974.76 ; -644,-2067.25 -644,-1974.76 ; C43.1@-622.41,-1974.76 -644,-1974.76 ; U115.2@-595.41,-1594.84 -595.41,-1550.41 -586,-1541 -488,-1541 -464,-1517 -464,-1433 ; D12.1@-525.67,-1844.84 D4.1@-608.35,-1844.84 -647.84,-1844.84 -668,-1865 -719,-1865 -755.42,-1901.42 Q18.2@-755.42,-1910.79 -787.76,-1943.13 C59.1@-787.76,-1974.76 -810,-1974.76 ; C100.1@-354.69,-1974.76 -334,-1974.76 ; C76.1@-311.39,-1974.76 -334,-1974.76 ; C113.1@-296.76,-1431.46 -298.31,-1433 -464,-1433 ; C84.1@-193.28,-1974.76 -172,-1974.76 ; C44.1@-149.97,-1974.76 -172,-1974.76 ; R65.2@-43.67,-1016.1 R67.2@-4.3,-1016.1 R69.2@35.07,-1016.1 R71.2@74.44,-1016.1 101,-1016.1 ; C68.1@-28.77,-1973.92 Q19.2@-28.77,-1910.79 -28.77,-1894.77 2,-1864 50,-1864 69.16,-1844.84 D5.1@119.44,-1844.84 D13.1@202.11,-1844.84 218.16,-1844.84 294,-1769 435,-1769 486,-1820 486,-1978.7 ; C68.1@-27.92,-1974.76 -7,-1974.76 ; -7,-2067.25 -7,-1974.76 ; C60.1@15.39,-1974.76 -7,-1974.76 ; C112.1@33.95,-1396.02 C22.1@171.18,-1396.02 226.02,-1396.02 261.46,-1431.46 ; R73.2@113.81,-1016.1 R75.2@153.18,-1016.1 R77.2@192.55,-1016.1 R79.2@231.92,-1016.1 ; U116.2@134.06,-1594.84 134.06,-1550.94 144,-1541 246,-1541 261.46,-1525.54 261.46,-1431.46 ; C33.1@184.68,-2329.09 83.09,-2329.09 50.82,-2296.82 C52.1@50.82,-2230.67 182.33,-2230.67 244.43,-2168.57 244.43,-2055.43 222.62,-2033.62 U102.4@141.7,-2033.62 122.38,-2033.62 86.75,-2069.25 U72.2@56.72,-2069.25 U80.2@-108.63,-2069.25 -172,-2069.25 ; C115.1@437.21,-1431.46 261.46,-1431.46 ; C101.1@464.2,-1978.7 486,-1978.7 ; C93.1@495.7,-2277.91 537.09,-2277.91 570.5,-2244.5 U57.1@570.5,-2202.13 497.5,-2129.12 497.5,-2057.5 ; C35.1@507.51,-1978.7 486,-1978.7 ; C85.1@629.56,-1978.7 653,-1978.7 ; 653,-2072.19 653,-1978.7 ; C114.1@763.98,-1396.02 C32.1@900.09,-1396.02 959.02,-1396.02 994.46,-1431.46 ; 818,-2072.19 818,-1978.7 C61.1@838.22,-1978.7 ; U117.2@863.53,-1594.84 863.53,-1546.47 872,-1538 965,-1538 994.46,-1508.54 994.46,-1431.46 ; D14.1@929.9,-1844.84 D6.1@847.22,-1844.84 789.16,-1844.84 769,-1865 719,-1865 697.89,-1886.11 Q20.2@697.89,-1910.79 697.89,-1920.11 676.8,-1941.2 C77.1@676.8,-1978.7 653,-1978.7 ; R81.2@1004.31,-1016.39 R83.2@1043.68,-1016.39 R85.2@1083.05,-1016.39 R87.2@1122.48,-1016.39 1139,-1016.39 R89.2@1161.85,-1016.39 R91.2@1201.22,-1016.39 R93.2@1240.59,-1016.39 R95.2@1279.96,-1016.39 ; C102.1@1105.94,-1974.76 1127,-1974.76 ; C94.1@1149.24,-1974.76 1127,-1974.76 ; U36.8@1258.3,-1265.12 1228.88,-1265.12 1171.18,-1322.82 C117.1@1171.18,-1431.46 994.46,-1431.46 ; C86.1@1271.29,-1974.76 1293,-1974.76 ; 1293,-2068.25 1293,-1974.76 ; C46.1@1314.6,-1974.76 1293,-1974.76 ; v1(1346,-2888) C161.2@1346,-2856.69 ; 1458,-2063.25 1458,-1974.76 ; C62.1@1479.95,-1974.76 1458,-1974.76 ; C116.1@1494.01,-1396.02 C34.1@1629,-1396.02 1682.02,-1396.02 1717.46,-1431.46 ; U118.2@1593,-1594.84 1593,-1552 1604,-1541 1686,-1541 1717.46,-1509.54 1717.46,-1431.46 ; D15.1@1657.68,-1844.84 D7.1@1575,-1844.84 1517.16,-1844.84 1498,-1864 1439,-1864 1424.55,-1878.45 Q21.2@1424.55,-1910.79 1424.55,-1936.55 1436.65,-1948.65 C70.1@1436.65,-1974.76 1458,-1974.76 ; C119.1@1905.15,-1431.46 1717.46,-1431.46 ; C103.1@1924.83,-1978.7 1945,-1978.7 1945,-2059 1952.39,-2066.39 ; U59.1@2027.2,-2202.13 2027.2,-2242.8 1996.02,-2273.98 C47.1@1952.39,-2273.98 ; R97.2@2050.82,-1016.1 R99.2@2086.25,-1016.1 R101.2@2125.62,-1016.1 R103.2@2164.99,-1016.1 2182,-1016.1 R105.2@2204.36,-1016.1 R107.2@2243.73,-1016.1 R109.2@2283.1,-1016.1 R111.2@2322.47,-1016.1 ; C87.1@2086.25,-1978.7 2107,-1978.7 ; 2107,-2071.19 2107,-1978.7 ; C118.1@2224.05,-1396.02 2300,-1396.02 C36.1@2357.9,-1396.02 2398.02,-1396.02 2405,-1403 2405,-1525 2391,-1539 2333,-1539 2322.47,-1549.53 U119.2@2322.47,-1594.84 ; C71.1@2251.61,-1978.7 2275,-1978.7 ; 2275,-2070.19 2275,-1978.7 ; C39.1@2294.91,-1978.7 2275,-1978.7 ; D16.1@2385.46,-1844.84 D8.1@2302.79,-1844.84 2246.16,-1844.84 2226,-1865 2177,-1865 2151.21,-1890.79 Q22.2@2151.21,-1910.79 2151.21,-1935.79 2129.56,-1957.44 C63.1@2129.56,-1978.7 2107,-1978.7 ; C79.1@2460.27,-2246.42 U67.2@2399.24,-2246.42 2356.42,-2246.42 2330.35,-2220.35 C55.1@2330.35,-2159.8 2360.84,-2159.8 2402,-2118.64 2402,-2086 2389.19,-2073.19 U75.2@2336.25,-2073.19 U83.2@2170.9,-2073.19 U91.2@2005.54,-2073.19 1959.19,-2073.19 1952.39,-2066.39 ; -3252.33,-2060.67 -3243.75,-2069.25 U84.2@-3210.99,-2069.25 -3109,-2069.25 ; -3109,-2069.25 U76.2@-3045.64,-2069.25 U68.2@-2880.28,-2069.25 -2841.25,-2069.25 -2805.62,-2033.62 U100.4@-2776.94,-2033.62 -2720.38,-2033.62 -2712.5,-2041.5 -2712.5,-2198.5 -2743,-2229 -2864.83,-2229 C48.1@-2866.5,-2230.67 -2866.5,-2295.5 -2836.84,-2325.16 U60.2@-2801.54,-2325.16 C88.1@-2740.52,-2325.16 -2629.16,-2325.16 -2585.85,-2281.85 C57.1@-2425.56,-2281.85 -2395.85,-2281.85 -2346.82,-2232.82 U53.1@-2346.82,-2198.19 -2402.81,-2198.19 -2423.69,-2177.32 -2423.69,-2065.32 ; -3109,-2069.25 -3109,-1974.76 ; -2423.69,-2065.32 U85.2@-2380.28,-2065.32 U77.2@-2214.93,-2065.32 -2109,-2065.32 ; -2109,-2065.32 U69.2@-2053.51,-2065.32 -1990.69,-2065.32 -1972,-2084 -1972,-2159 C49.1@-2039.73,-2226.73 -2039.73,-2291.27 -2005.84,-2325.16 U61.2@-1970.83,-2325.16 C27.1@-1909.81,-2325.16 ; C91.1@-973,-2282.5 -973,-2048 ; -973,-2048 -973,-1974.76 ; -973,-2048 -951.75,-2069.25 U87.2@-911.78,-2069.25 U79.2@-746.43,-2069.25 U71.2@-581.07,-2069.25 -520.75,-2069.25 -510,-2080 -510,-2141.88 C51.1@-590.91,-2222.8 -583,-2230.71 -583,-2303 -568.72,-2317.28 U63.2@-525.95,-2317.28 -404.28,-2317.28 -364.91,-2277.91 C92.1@-327.13,-2277.91 -279.91,-2277.91 -252.33,-2250.33 U56.1@-252.33,-2194.25 -297.75,-2194.25 -334,-2158 -334,-2056 ; -334,-2056 -334,-1974.76 ; -334,-2056 -320.75,-2069.25 U88.2@-273.98,-2069.25 -172,-2069.25 ; -172,-2069.25 -172,-1974.76 ; 486,-1978.7 486,-2046 497.5,-2057.5 ; 497.5,-2057.5 513.19,-2073.19 U89.2@548.85,-2073.19 U81.2@714.2,-2073.19 U73.2@879.56,-2073.19 941.19,-2073.19 957,-2089 957,-2192 930.14,-2218.86 C53.1@873.65,-2218.86 879,-2224.2 879,-2288 904.35,-2313.35 U65.2@942.55,-2313.35 1064.65,-2313.35 1100.09,-2277.91 C78.1@1137.43,-2277.91 1195.09,-2277.91 1216.17,-2256.83 U58.1@1216.17,-2198.19 1179.19,-2198.19 1127,-2146 1127,-2046 ; 1127,-2046 1150.25,-2069.25 U90.2@1190.58,-2069.25 U82.2@1355.94,-2069.25 U74.2@1517.35,-2069.25 1543.75,-2069.25 1579.38,-2033.62 U103.4@1601.02,-2033.62 1678.12,-2033.62 1704.5,-2060 1704.5,-2183.5 1669.14,-2218.86 C54.1@1523.26,-2218.86 1523.26,-2288.26 1548.35,-2313.35 U66.2@1592.16,-2313.35 C37.1@1653.18,-2313.35 1839.65,-2313.35 1879.02,-2273.98 C47.1@1952.39,-2273.98 ; 1127,-2046 1127,-1974.76 ; C47.1@1952.39,-2273.98 1952.39,-2066.39
  L4 w22: C66.1@-1488.55,-1974.76 -1469,-1974.76 -1469,-2067.25 -1471,-2069.25
  other v1: -1677,-2565